# Allegro board 8880F5-0823__zarif.brd (continued)
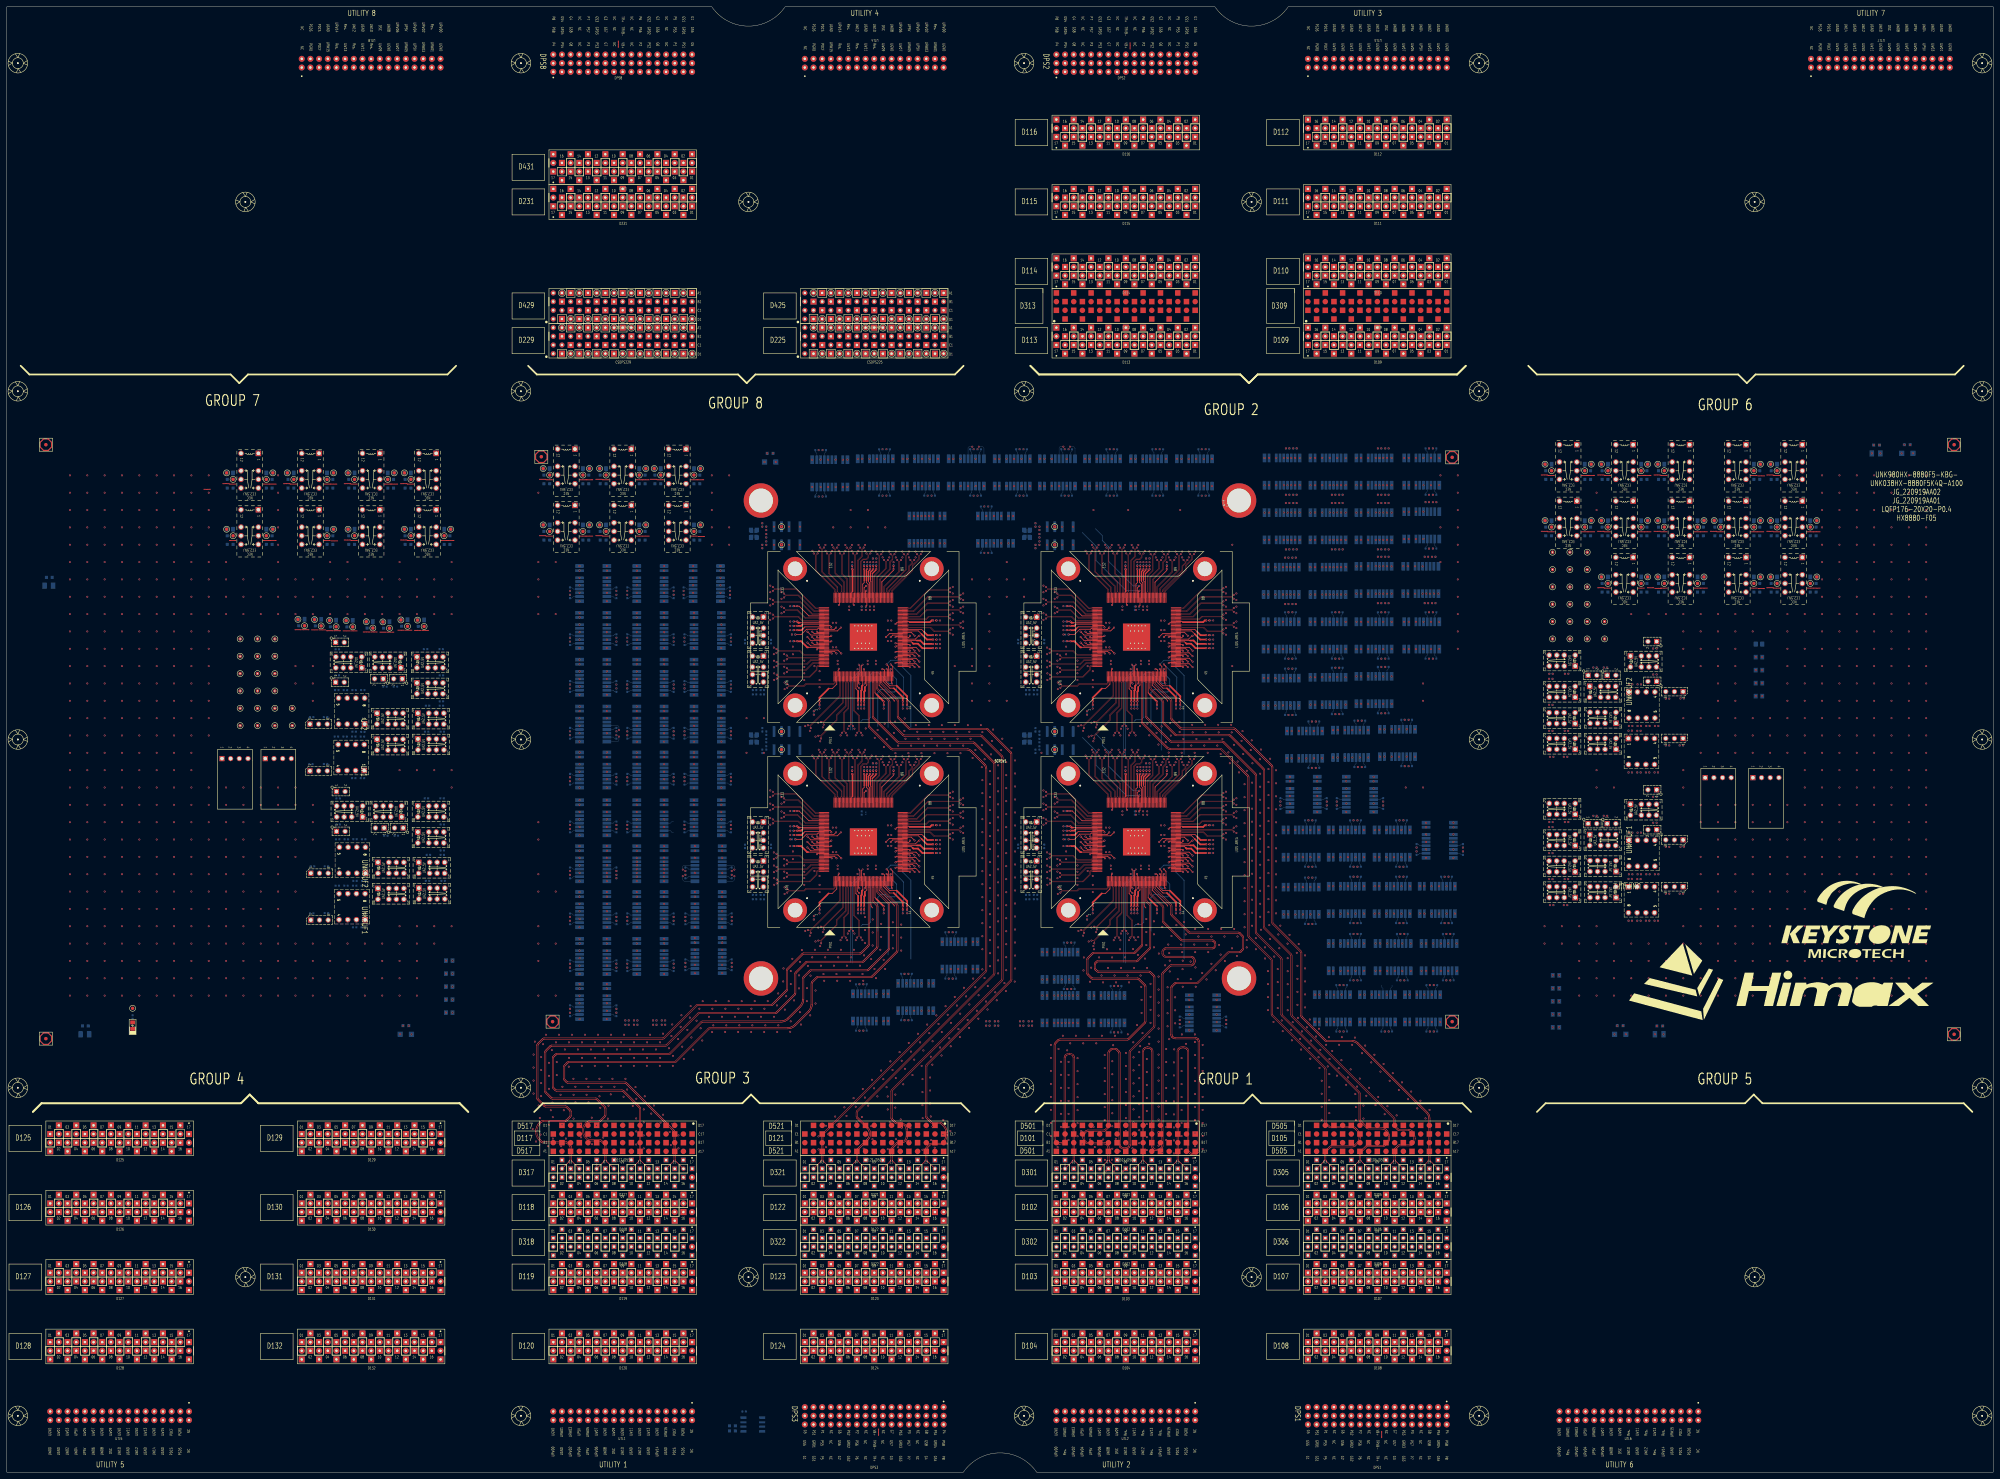
[diagram p0: board, top side]
## Placement (name value [footprint] x y rotation side) (continued)
UNK2R83  4.7K-1-S4-WA  [R0402]  482.6 241.3 0 bottom
UNK2R84  4.7K-1-S4-WA  [R0402]  482.6 233.68 0 bottom
UNK2R85  100K-1-S4  [R0402]  465.07 235.71 0 bottom
UNK2R86  4.7K-1-S4-WA  [R0402]  486.3 226.62 0 bottom
UNK2R87  4.7K-1-S4-WA  [R0402]  475.49 230.78 0 bottom
UNK2R88  4.7K-1-S4-WA  [R0402]  478.03 230.78 0 bottom
UNK2R89  4.7K-1-S4-WA  [R0402]  490.6 226.67 180 bottom
UNK2R90  4.7K-1-S4-WA  [R0402]  478.03 218.59 0 bottom
UNK2R91  4.7K-1-S4-WA  [R0402]  480.57 218.59 0 bottom
UNK2R92  4.7K-1-S4-WA  [R0402]  483.11 218.59 0 bottom
UNK2R93  4.7K-1-S4-WA  [R0402]  486.3 212.91 0 bottom
UNK2R94  4.7K-1-S4-WA  [R0402]  475.37 217.23 180 bottom
UNK2R95  4.7K-1-S4-WA  [R0402]  477.93 217.17 0 bottom
UNK2R96  4.7K-1-S4-WA  [R0402]  490.36 212.91 180 bottom
UNK2R97  4.7K-1-S4-WA  [R0402]  477.93 204.98 0 bottom
UNK2R98  4.7K-1-S4-WA  [R0402]  480.47 204.98 0 bottom
UNK2R99  4.7K-1-S4-WA  [R0402]  483.01 204.98 0 bottom
UNK2R100  49.9-1-S4  [R0402]  415.95 238.32 180 bottom
UNK2R101  49.9-1-S4  [R0402]  418.1 238.32 180 bottom
UNK2R102  49.9-1-S4  [R0402]  374.8 235.39 180 bottom
UNK2R103  49.9-1-S4  [R0402]  376.95 235.39 180 bottom
UNK2R104  49.9-1-S4  [R0402]  381.66 219.9 180 bottom
UNK2R105  49.9-1-S4  [R0402]  383.81 219.9 180 bottom
UNK2R117  1K-1-S4  [R0402]  452.18 233.88 0 bottom
UNK2R118  NC/0-5-S4  [R0402]  310.41 245.39 180 bottom
UNK2R119  4.7K-1-S4-WA  [R0402]  452.12 224.79 180 bottom
UNK2R120  4.7K-1-S4-WA  [R0402]  452.12 232.41 180 bottom
UNK2R125  0-5-S4  [R0402]  456.44 209.55 0 bottom
UNK2R126  0-5-S4  [R0402]  452.37 209.55 0 bottom
UNK2R127  0-5-S4  [R0402]  456.69 217.17 0 bottom
UNK2R128  0-5-S4  [R0402]  452.12 217.17 0 bottom
UNK2R129  0-5-S4  [R0402]  301.23 229.11 180 bottom
UNK2R130  0-5-S4  [R0402]  298.95 229.11 0 bottom
UNK2R131  50-0.1-S4-HF-VI  [R0402]  303.77 243.33 90 bottom
UNK2R132  50-0.1-S4-HF-VI  [R0402]  296.15 243.33 90 bottom
UNK2R133  0-5-S4  [R0402]  302.38 276.48 90 bottom
UNK2SH1  SHORT  [DEFAULT_SHORT_SMALL]  462.05 291.99 0 top
UNK2SH2  SHORT  [DEFAULT_SHORT_SMALL]  464 291.99 0 top
UNK2SH3  SHORT  [DEFAULT_SHORT_SMALL]  452.21 291.99 0 top
UNK2SH4  SHORT  [DEFAULT_SHORT_SMALL]  450.26 292.12 180 top
UNK2SH5  SHORT  [DEFAULT_SHORT_SMALL]  485.23 291.99 0 top
UNK2SH6  SHORT  [DEFAULT_SHORT_SMALL]  483.28 292.12 180 top
UNK2SH7  SHORT  [DEFAULT_SHORT_SMALL]  462.05 275.48 0 top
UNK2SH8  SHORT  [DEFAULT_SHORT_SMALL]  450.26 275.61 180 top
UNK2SH9  SHORT  [DEFAULT_SHORT_SMALL]  464 275.48 0 top
UNK2SH10  SHORT  [DEFAULT_SHORT_SMALL]  452.21 275.48 0 top
UNK2SH11  SHORT  [DEFAULT_SHORT_SMALL]  483.28 275.61 180 top
UNK2SH12  SHORT  [DEFAULT_SHORT_SMALL]  495.07 275.48 0 top
UNK2SH13  SHORT  [DEFAULT_SHORT_SMALL]  480.51 291.99 0 top
UNK2SH14  SHORT  [DEFAULT_SHORT_SMALL]  478.56 291.99 0 top
UNK2SH15  SHORT  [DEFAULT_SHORT_SMALL]  466.77 292.12 180 top
UNK2SH16  SHORT  [DEFAULT_SHORT_SMALL]  468.72 291.99 0 top
UNK2SH17  SHORT  [DEFAULT_SHORT_SMALL]  466.77 275.61 180 top
UNK2SH18  SHORT  [DEFAULT_SHORT_SMALL]  478.56 275.48 0 top
UNK2SH19  SHORT  [DEFAULT_SHORT_SMALL]  90.17 246.75 0 top
UNK2SH20  SHORT  [DEFAULT_SHORT_SMALL]  92.37 246.75 0 top
UNK2SH21  SHORT  [DEFAULT_SHORT_SMALL]  85.31 246.8 0 top
UNK2SH22  SHORT  [DEFAULT_SHORT_SMALL]  87.51 246.8 0 top
UNK2SH23  SHORT  [DEFAULT_SHORT_SMALL]  511.58 291.99 0 top
UNK2SH24  SHORT  [DEFAULT_SHORT_SMALL]  513.76 291.86 180 top
UNK2SH25  SHORT  [DEFAULT_SHORT_SMALL]  485.23 275.48 0 top
UNK2SH26  SHORT  [DEFAULT_SHORT_SMALL]  497.02 275.48 0 top
UNK2SH27  SHORT  [DEFAULT_SHORT_SMALL]  468.72 275.48 0 top
UNK2SH28  SHORT  [DEFAULT_SHORT_SMALL]  480.51 275.48 0 top
UNK2TP_AUXVCC  TP01  [TP_040_T]  92.04 247.9 180 top
UNK2TP_AVDD11_RX  TP01  [TP_040_T]  452.33 276.86 180 top
UNK2TP_AVDD11_XTAL  TP01  [TP_040_T]  511.6 293.37 0 top
UNK2TP_AVDD18_RX  TP01  [TP_040_T]  462.07 276.86 0 top
UNK2TP_PLL_M_VDD33  TP01  [TP_040_T]  478.58 293.37 0 top
UNK2TP_PLL_TX_VDD33  TP01  [TP_040_T]  468.84 293.37 180 top
UNK2TP_VCC3V3  TP01  [TP_040_T]  87.17 247.96 180 top
UNK2TP_VDD_IO_33  TP01  [TP_040_T]  452.33 293.37 180 top
UNK2TP_VDD_TXREG_33_B  TP01  [TP_040_T]  478.58 276.86 0 top
UNK2TP_VDD_TXREG_33_T  TP01  [TP_040_T]  468.84 276.86 180 top
UNK2TP_VDDA_33_LV  TP01  [TP_040_T]  462.07 293.37 0 top
UNK2TP_VDDC_11  TP01  [TP_040_T]  485.35 293.37 180 top
UNK2TP_VDDTXPST_11_B  TP01  [TP_040_T]  495.09 276.86 0 top
UNK2TP_VDDTXPST_11_T  TP01  [TP_040_T]  485.35 276.86 180 top
UNK2TP_XTAL_IN  TP01  [TP_040_T]  306.85 271.67 0 top
UNK2TP_XTAL_OUT  TP01  [TP_040_T]  306.85 276.97 0 top
UNK2U1  SOLDER-DIP8-SOCKET  [DIP8_300X100_RLPIN]  474.97 228.55 270 bottom
UNK2U2  SOLDER-DIP8-SOCKET  [DIP8_300X100_RLPIN]  474.87 214.94 270 bottom
UNK2UF1  MX25L4006EM2I-12G-SOP8  [SOCKET_CODE]  360.09 283.74 180 top
UNK2UF2  MX25L4006EM2I-12G-SOP8  [SOCKET_CODE]  474.97 228.55 90 top
UNK2Y1  XTAL27M-S2520-ABRACON-10P  [XTAL_2X2P5MM_4P]  298.76 274.89 270 bottom
UNK2Y2  NC/XTAL27M-S3225-TXC-10P  [XTAL_3P2X2P5MM_4P_TXC_0201]  298.76 274.89 270 bottom
UNK3C3  0.1U-16-X-S4-MU  [C0402]  192.28 132.33 180 bottom
UNK3C4  0.1U-16-X-S4-MU  [C0402]  189.74 132.33 180 bottom
UNK3C5  22P-50-N-S4-AVX  [C0402]  221.21 217.48 90 bottom
UNK3C6  22P-50-N-S4-AVX  [C0402]  221.21 211.16 270 bottom
UNK3C7  0.1U-16-X-S4-MU  [C0402]  111 186.44 0 bottom
UNK3C8  0.1U-16-X-S4-MU  [C0402]  104.39 171.81 180 bottom
UNK3C9  0.1U-16-X-S4-MU  [C0402]  104.49 185.42 180 bottom
UNK3CA1  NC/10U-10-X6S-S6-MU  [C0603]  112.39 290.83 0 bottom
UNK3CA2  NC/47U-10-X5R-S8-TDK  [C0805]  112.5 292.74 0 bottom
UNK3CA3  NC/10U-10-X6S-S6-MU  [C0603]  100.96 290.83 180 bottom
UNK3CA4  NC/47U-10-X5R-S8-TDK  [C0805]  100.86 292.74 180 bottom
UNK3CA5  NC/10U-10-X6S-S6-MU  [C0603]  100.96 274.32 180 bottom
UNK3CA6  NC/47U-10-X5R-S8-TDK  [C0805]  100.86 276.23 180 bottom
UNK3CA7  NC/10U-10-X6S-S6-MU  [C0603]  128.9 274.32 0 bottom
UNK3CA8  NC/47U-10-X5R-S8-TDK  [C0805]  129.01 276.23 0 bottom
UNK3CA9  NC/10U-10-X6S-S6-MU  [C0603]  117.47 274.32 180 bottom
UNK3CA10  NC/47U-10-X5R-S8-TDK  [C0805]  117.37 276.23 180 bottom
UNK3CA11  NC/10U-10-X6S-S6-MU  [C0603]  76.83 290.83 0 bottom
UNK3CA12  NC/47U-10-X5R-S8-TDK  [C0805]  76.94 292.74 0 bottom
UNK3CA13  NC/47U-10-X5R-S8-TDK  [C0805]  94.72 292.74 0 bottom
UNK3CA14  NC/10U-10-X6S-S6-MU  [C0603]  94.61 290.83 0 bottom
UNK3CA15  NC/47U-10-X5R-S8-TDK  [C0805]  83.08 292.74 180 bottom
UNK3CA16  NC/10U-10-X6S-S6-MU  [C0603]  83.18 290.83 180 bottom
UNK3CA17  NC/47U-10-X5R-S8-TDK  [C0805]  76.94 276.23 0 bottom
UNK3CA18  NC/10U-10-X6S-S6-MU  [C0603]  76.83 274.32 0 bottom
UNK3CA19  NC/47U-10-X5R-S8-TDK  [C0805]  111.1 249.13 180 bottom
UNK3CA20  NC/10U-10-X6S-S6-MU  [C0603]  111.2 247.23 180 bottom
UNK3CA21  10U-10-X6S-S6-MU  [C0603]  112.39 288.29 0 bottom
UNK3CA22  10U-10-X6S-S6-MU  [C0603]  100.96 288.29 180 bottom
UNK3CA23  10U-10-X6S-S6-MU  [C0603]  100.96 271.78 180 bottom
UNK3CA24  10U-10-X6S-S6-MU  [C0603]  128.9 271.78 0 bottom
UNK3CA25  10U-10-X6S-S6-MU  [C0603]  117.47 271.78 180 bottom
UNK3CA26  10U-10-X6S-S6-MU  [C0603]  76.83 288.29 0 bottom
UNK3CA27  10U-10-X6S-S6-MU  [C0603]  94.61 288.29 0 bottom
UNK3CA28  10U-10-X6S-S6-MU  [C0603]  83.18 288.29 180 bottom
UNK3CA29  10U-10-X6S-S6-MU  [C0603]  76.83 271.78 0 bottom
UNK3CA30  NC/47U-10-X5R-S8-TDK  [C0805]  106.23 249.19 180 bottom
UNK3CA31  10U-10-X6S-S6-MU  [C0603]  106.33 247.28 180 bottom
UNK3CA32  NC/10U-10-X6S-S6-MU  [C0603]  94.61 274.32 0 bottom
UNK3CA33  NC/47U-10-X5R-S8-TDK  [C0805]  94.72 276.23 0 bottom
UNK3CA34  10U-10-X6S-S6-MU  [C0603]  94.61 271.78 0 bottom
UNK3CA35  NC/10U-10-X6S-S6-MU  [C0603]  65.4 290.83 180 bottom
UNK3CA36  NC/47U-10-X5R-S8-TDK  [C0805]  65.3 292.74 180 bottom
UNK3CA37  10U-10-X6S-S6-MU  [C0603]  65.4 288.29 180 bottom
UNK3CA38  NC/10U-10-X6S-S6-MU  [C0603]  65.4 274.32 180 bottom
UNK3CA39  NC/47U-10-X5R-S8-TDK  [C0805]  65.3 276.23 180 bottom
UNK3CA40  10U-10-X6S-S6-MU  [C0603]  65.4 271.78 180 bottom
UNK3CC1  0.47U-10-X6S-S2-TY  [C0201]  237.98 164.12 90 bottom
UNK3CC2  4.7U-10-X6T-S4-MU  [C0402]  236.32 162.4 270 bottom
UNK3CC4  0.47U-10-X6S-S2-TY  [C0201]  229.81 187.93 0 bottom
UNK3CC6  0.47U-10-X6S-S2-TY  [C0201]  250.17 164.12 90 bottom
UNK3CC7  0.47U-10-X6S-S2-TY  [C0201]  229.81 186.66 0 bottom
UNK3CC8  0.47U-10-X6S-S2-TY  [C0201]  263.63 164.12 90 bottom
UNK3CC9  0.47U-10-X6S-S2-TY  [C0201]  254.61 206.16 270 bottom
UNK3CC11  0.47U-10-X6S-S2-TY  [C0201]  251.06 164.12 90 bottom
UNK3CC13  0.47U-10-X6S-S2-TY  [C0201]  256.77 164.12 90 bottom
UNK3CC15  4.7U-2.5-X6S-S2-MU  [C0201]  259.65 204.95 90 bottom
UNK3CC16  NC/4.7U-2.5-X6S-S2-MU  [C0201]  271.64 189.5 0 bottom
UNK3CC17  4.7U-2.5-X6S-S2-MU  [C0201]  229.81 193.69 0 bottom
UNK3CC19  0.47U-10-X6S-S2-TY  [C0201]  252.83 206.16 270 bottom
UNK3CC20  4.7U-10-X6T-S4-MU  [C0402]  254.11 207.66 0 bottom
UNK3CC22  0.47U-10-X6S-S2-TY  [C0201]  251.05 206.16 270 bottom
UNK3CC23  4.7U-10-X6T-S4-MU  [C0402]  250.34 193.09 270 bottom
UNK3CC25  0.47U-10-X6S-S2-TY  [C0201]  272.85 185.18 180 bottom
UNK3CC26  0.47U-10-X6S-S2-TY  [C0201]  253.72 206.16 270 bottom
UNK3CC27  0.47U-10-X6S-S2-TY  [C0201]  272.85 189.5 180 bottom
UNK3CC28  0.47U-10-X6S-S2-TY  [C0201]  259.65 206.16 270 bottom
UNK3CC29  0.47U-10-X6S-S2-TY  [C0201]  231.03 193.69 180 bottom
UNK3CC30  0.47U-10-X6S-S2-TY  [C0201]  229.81 183.41 0 bottom
UNK3CC31  0.47U-10-X6S-S2-TY  [C0201]  249.28 164.12 90 bottom
UNK3CC32  0.47U-10-X6S-S2-TY  [C0201]  262.36 164.12 90 bottom
UNK3CC33  0.47U-10-X6S-S2-TY  [C0201]  272.85 183.91 180 bottom
UNK3CC34  0.47U-10-X6S-S2-TY  [C0201]  251.94 206.16 270 bottom
UNK3CC35  0.47U-10-X6S-S2-TY  [C0201]  272.85 181.37 180 bottom
UNK3CC36  0.47U-10-X6S-S2-TY  [C0201]  272.85 182.64 180 bottom
UNK3CC37  0.47U-10-X6S-S2-TY  [C0201]  247.57 204.95 90 bottom
UNK3CC38  NC/4.7U-2.5-X6S-S2-MU  [C0201]  247.57 206.16 270 bottom
UNK3CC39  0.47U-10-X6S-S2-TY  [C0201]  231.03 189.2 180 bottom
UNK3CC40  4.7U-2.5-X6S-S2-MU  [C0201]  258.5 186.67 180 bottom
UNK3CC41  4.7U-2.5-X6S-S2-MU  [C0201]  229.81 189.2 0 bottom
UNK3CC42  4.7U-2.5-X6S-S2-MU  [C0201]  251.54 193.03 90 bottom
UNK3CD1  0.1U-10-X7R-S2-MU  [C0201]  237.98 165.34 270 top
UNK3CD3  0.1U-10-X7R-S2-MU  [C0201]  271.64 181.37 0 top
UNK3CD4  0.1U-10-X7R-S2-MU  [C0201]  254.61 204.95 90 top
UNK3CD5  0.1U-10-X7R-S2-MU  [C0201]  263.63 165.34 270 top
UNK3CD6  0.1U-10-X7R-S2-MU  [C0201]  231.03 186.66 180 top
UNK3CD7  0.1U-10-X7R-S2-MU  [C0201]  271.64 182.64 0 top
UNK3CD8  0.1U-10-X7R-S2-MU  [C0201]  251.06 165.34 270 top
UNK3CD9  0.1U-10-X7R-S2-MU  [C0201]  256.77 165.34 270 top
UNK3CD10  0.1U-10-X7R-S2-MU  [C0201]  271.64 189.5 0 top
UNK3CD11  0.1U-10-X7R-S2-MU  [C0201]  259.65 204.95 90 top
UNK3CD12  0.1U-10-X7R-S2-MU  [C0201]  231.03 193.69 180 top
UNK3CD13  0.1U-10-X7R-S2-MU  [C0201]  252.83 204.95 90 top
UNK3CD14  0.1U-10-X7R-S2-MU  [C0201]  251.05 204.95 90 top
UNK3CD15  0.1U-10-X7R-S2-MU  [C0201]  271.64 185.18 0 top
UNK3CD16  0.1U-10-X7R-S2-MU  [C0201]  253.72 204.95 90 top
UNK3CD17  0.1U-10-X7R-S2-MU  [C0201]  231.03 187.93 180 top
UNK3CD18  0.1U-10-X7R-S2-MU  [C0201]  251.94 204.95 90 top
UNK3CD19  0.1U-10-X7R-S2-MU  [C0201]  231.03 183.41 180 top
UNK3CD20  0.1U-10-X7R-S2-MU  [C0201]  271.64 183.91 0 top
UNK3CD21  0.1U-10-X7R-S2-MU  [C0201]  262.36 165.34 270 top
UNK3CD22  0.1U-10-X7R-S2-MU  [C0201]  249.28 165.34 270 top
UNK3CD23  0.1U-10-X7R-S2-MU  [C0201]  250.17 165.34 270 top
UNK3CD24  0.1U-10-X7R-S2-MU  [C0201]  247.57 204.95 90 top
UNK3CD25  0.1U-10-X7R-S2-MU  [C0201]  231.03 189.2 180 top
UNK3GND1  TP01  [TP_040_T]  99.91 292.74 0 top
UNK3GND2  TP01  [TP_040_T]  113.45 292.74 180 top
UNK3GND3  TP01  [TP_040_T]  99.91 276.23 0 top
UNK3GND4  TP01  [TP_040_T]  116.42 276.23 0 top
UNK3GND5  TP01  [TP_040_T]  129.96 276.23 180 top
UNK3GND6  TP01  [TP_040_T]  64.35 292.74 0 top
UNK3GND7  TP01  [TP_040_T]  95.67 292.74 180 top
UNK3GND8  TP01  [TP_040_T]  82.13 292.74 0 top
UNK3GND9  TP01  [TP_040_T]  77.89 276.23 180 top
UNK3GND10  TP01  [TP_040_T]  110.12 249.08 0 top
UNK3GND11  TP01  [TP_040_T]  105.25 249.13 0 top
UNK3GND12  TP01  [TP_040_T]  95.67 276.23 180 top
UNK3GND13  TP01  [TP_040_T]  77.89 292.74 180 top
UNK3GND14  TP01  [TP_040_T]  64.35 276.23 0 top
UNK3J1  HDR-2X1-M  [JP_2P_100]  110.49 188.72 270 bottom
UNK3J2  HDR-3X1-M  [JP_3P_100]  89.01 161.74 90 bottom
UNK3J3  HDR-3X1-M  [JP_3P_100]  89.01 175.46 90 bottom
UNK3J4  HDR-2X1-M  [JP_2P_100]  96.52 187.71 90 bottom
UNK3J5  HDR-2X1-M  [JP_2P_100]  96.52 199.39 90 bottom
UNK3K1  G6K-2F-RF-T-5V-SPECIAL  [RL_G6K2FRT_8P_5V_GR]  279.15 151.38 180 bottom
UNK3K2  G6K-2F-RF-T-5V-SPECIAL  [RL_G6K2FRT_8P_5V_GR]  252.98 136.14 180 bottom
UNK3K3  G6K-2F-RF-T-5V-SPECIAL  [RL_G6K2FRT_8P_5V_GR]  266.19 139.19 180 bottom
UNK3K4  G6K-2F-RF-T-5V-SPECIAL  [RL_G6K2FRT_8P_5V_GR]  171.7 178.31 270 bottom
UNK3K5  G6K-2F-RF-T-5V-SPECIAL  [RL_G6K2FRT_8P_5V_GR]  188.47 219.2 270 bottom
UNK3K6  G6K-2F-RF-T-5V-SPECIAL  [RL_G6K2FRT_8P_5V_GR]  205.23 219.2 270 bottom
UNK3K7  G6K-2F-RF-T-5V-SPECIAL  [RL_G6K2FRT_8P_5V_GR]  188.47 205.74 270 bottom
UNK3K8  G6K-2F-RF-T-5V-SPECIAL  [RL_G6K2FRT_8P_5V_GR]  188.47 191.77 270 bottom
UNK3K9  UA2-5NJ-A-V3  [RL_NECUA2_5V_V3]  219.96 175.46 90 bottom
UNK3K10  UA2-5NJ-A-V3  [RL_NECUA2_5V_V3]  112.01 193.55 0 bottom
UNK3K11  G6K-2F-RF-T-5V-SPECIAL  [RL_G6K2FRT_8P_5V_GR]  171.7 205.74 270 bottom
UNK3K12  UA2-5NJ-A-V3  [RL_NECUA2_5V_V3]  219.96 186.89 90 bottom
UNK3K13  UA2-5NJ-A-V3  [RL_NECUA2_5V_V3]  123.95 185.93 180 bottom
UNK3K14  UA2-5NJ-A-V3  [RL_NECUA2_5V_V3]  112.27 177.04 180 bottom
UNK3K15  UA2-5NJ-A-V3  [RL_NECUA2_5V_V3]  124.24 169.5 180 bottom
UNK3K16  G6K-2F-RF-T-5V-SPECIAL  [RL_G6K2FRT_8P_5V_GR]  205.23 205.74 270 bottom
UNK3K17  G6K-2F-RF-T-5V-SPECIAL  [RL_G6K2FRT_8P_5V_GR]  171.7 191.77 270 bottom
UNK3K18  UB2-5NU-B  [RL_NECUB2_5V]  228.45 214.32 0 bottom
UNK3K19  UA2-5NJ-A-V3  [RL_NECUA2_5V_V3]  112.27 169.42 180 bottom
UNK3K20  UA2-5NJ-A-V3  [RL_NECUA2_5V_V3]  124.21 177.04 180 bottom
UNK3K21  G6K-2F-RF-T-5V-SPECIAL  [RL_G6K2FRT_8P_5V_GR]  205.23 191.77 270 bottom
UNK3K22  G6K-2F-RF-T-5V-SPECIAL  [RL_G6K2FRT_8P_5V_GR]  205.49 151.38 270 bottom
UNK3K23  G6K-2F-RF-T-5V-SPECIAL  [RL_G6K2FRT_8P_5V_GR]  171.7 137.92 270 bottom
UNK3K24  G6K-2F-RF-T-5V-SPECIAL  [RL_G6K2FRT_8P_5V_GR]  188.47 151.13 270 bottom
UNK3K25  G6K-2F-RF-T-5V-SPECIAL  [RL_G6K2FRT_8P_5V_GR]  205.49 164.85 270 bottom
UNK3K26  G6K-2F-RF-T-5V-SPECIAL  [RL_G6K2FRT_8P_5V_GR]  188.47 164.85 270 bottom
UNK3K27  G6K-2F-RF-T-5V-SPECIAL  [RL_G6K2FRT_8P_5V_GR]  205.49 178.31 270 bottom
UNK3K28  UA2-5NJ-A-V3  [RL_NECUA2_5V_V3]  100.58 193.55 0 bottom
UNK3K29  G6K-2F-RF-T-5V-SPECIAL  [RL_G6K2FRT_8P_5V_GR]  171.7 164.85 270 bottom
UNK3K30  G6K-2F-RF-T-5V-SPECIAL  [RL_G6K2FRT_8P_5V_GR]  171.7 151.13 270 bottom
UNK3K31  EC2-5NJ-A  [RL_NECEC2_10P_5V]  88.9 275.59 90 bottom
UNK3K33  NC/UA2-5NJ-A-V3  [RL_NECUA2_5V_V3]  123.95 193.55 180 bottom
UNK3K34  EC2-5NJ-A  [RL_NECEC2_10P_5V]  106.68 292.1 90 bottom
UNK3K36  EC2-5NJ-A  [RL_NECEC2_10P_5V]  106.68 275.59 90 bottom
UNK3K37  EC2-5NJ-A  [RL_NECEC2_10P_5V]  123.19 275.59 90 bottom
UNK3K39  EC2-5NJ-A  [RL_NECEC2_10P_5V]  71.12 292.1 90 bottom
UNK3K40  EC2-5NJ-A  [RL_NECEC2_10P_5V]  88.9 292.1 90 bottom
UNK3K42  EC2-5NJ-A  [RL_NECEC2_10P_5V]  71.12 275.59 90 bottom
UNK3K43  G6K-2F-RF-T-5V-SPECIAL  [RL_G6K2FRT_8P_5V_GR]  188.47 178.31 270 bottom
UNK3R1  NC/1M-1-S4  [R0402]  221.23 167.84 180 bottom
UNK3R2  NC/1M-1-S4  [R0402]  218.95 167.84 0 bottom
UNK3R3  NC/100K-1-S4  [R0402]  192.28 131.06 180 bottom
UNK3R4  NC/100K-1-S4  [R0402]  189.74 131.06 180 bottom
UNK3R5  0-5-S4  [R0402]  222.38 212.16 270 bottom
UNK3R6  1M-1-S4  [R0402]  222.38 214.32 270 bottom
UNK3R7  49.9-1-S4  [R0402]  277.47 144.59 0 bottom
UNK3R8  49.9-1-S4  [R0402]  275.32 144.59 0 bottom
UNK3R9  49.9-1-S4  [R0402]  277.47 158.18 0 bottom
UNK3R10  49.9-1-S4  [R0402]  275.32 158.18 0 bottom
UNK3R11  49.9-1-S4  [R0402]  251.31 129.35 0 bottom
UNK3R12  49.9-1-S4  [R0402]  249.16 129.35 0 bottom
UNK3R13  49.9-1-S4  [R0402]  251.31 142.94 0 bottom
UNK3R14  49.9-1-S4  [R0402]  249.16 142.94 0 bottom
UNK3R15  49.9-1-S4  [R0402]  264.51 132.4 0 bottom
UNK3R16  49.9-1-S4  [R0402]  262.37 132.4 0 bottom
UNK3R17  49.9-1-S4  [R0402]  264.51 145.99 0 bottom
UNK3R18  49.9-1-S4  [R0402]  262.37 145.99 0 bottom
UNK3R19  49.9-1-S4  [R0402]  178.5 176.63 90 bottom
UNK3R20  49.9-1-S4  [R0402]  178.5 174.49 90 bottom
UNK3R21  49.9-1-S4  [R0402]  164.91 176.63 90 bottom
UNK3R22  49.9-1-S4  [R0402]  164.91 174.49 90 bottom
UNK3R23  49.9-1-S4  [R0402]  195.26 217.52 90 bottom
UNK3R24  49.9-1-S4  [R0402]  195.26 215.38 90 bottom
UNK3R25  49.9-1-S4  [R0402]  181.67 217.52 90 bottom
UNK3R26  49.9-1-S4  [R0402]  181.67 215.38 90 bottom
UNK3R27  49.9-1-S4  [R0402]  212.03 217.52 90 bottom
UNK3R28  49.9-1-S4  [R0402]  212.03 215.38 90 bottom
UNK3R29  49.9-1-S4  [R0402]  198.44 217.52 90 bottom
UNK3R30  49.9-1-S4  [R0402]  198.44 215.38 90 bottom
UNK3R31  49.9-1-S4  [R0402]  195.26 204.06 90 bottom
UNK3R32  49.9-1-S4  [R0402]  195.26 201.92 90 bottom
UNK3R33  49.9-1-S4  [R0402]  181.67 204.06 90 bottom
UNK3R34  49.9-1-S4  [R0402]  181.67 201.92 90 bottom
UNK3R37  49.9-1-S4  [R0402]  181.67 190.09 90 bottom
UNK3R38  49.9-1-S4  [R0402]  181.67 187.95 90 bottom
UNK3R39  49.9-1-S4  [R0402]  178.5 204.06 90 bottom
UNK3R40  49.9-1-S4  [R0402]  178.5 201.92 90 bottom
UNK3R41  49.9-1-S4  [R0402]  164.91 204.06 90 bottom
UNK3R42  49.9-1-S4  [R0402]  164.91 201.92 90 bottom
UNK3R43  49.9-1-S4  [R0402]  164.91 163.17 90 bottom
UNK3R44  49.9-1-S4  [R0402]  164.91 161.02 90 bottom
UNK3R45  49.9-1-S4  [R0402]  198.69 149.71 90 bottom
UNK3R46  49.9-1-S4  [R0402]  198.69 147.56 90 bottom
UNK3R47  49.9-1-S4  [R0402]  178.5 136.24 90 bottom
UNK3R48  49.9-1-S4  [R0402]  178.5 134.1 90 bottom
UNK3R49  49.9-1-S4  [R0402]  164.91 136.24 90 bottom
UNK3R50  49.9-1-S4  [R0402]  164.91 134.1 90 bottom
UNK3R51  49.9-1-S4  [R0402]  195.26 149.45 90 bottom
UNK3R52  49.9-1-S4  [R0402]  195.26 147.31 90 bottom
UNK3R53  49.9-1-S4  [R0402]  181.67 149.45 90 bottom
UNK3R54  49.9-1-S4  [R0402]  181.67 147.31 90 bottom
UNK3R55  49.9-1-S4  [R0402]  212.28 163.17 90 bottom
UNK3R56  49.9-1-S4  [R0402]  212.28 161.02 90 bottom
UNK3R57  49.9-1-S4  [R0402]  198.69 163.17 90 bottom
UNK3R58  49.9-1-S4  [R0402]  198.69 161.02 90 bottom
UNK3R59  49.9-1-S4  [R0402]  195.26 163.17 90 bottom
UNK3R60  49.9-1-S4  [R0402]  195.26 161.02 90 bottom
UNK3R61  49.9-1-S4  [R0402]  181.67 163.17 90 bottom
UNK3R62  49.9-1-S4  [R0402]  181.67 161.02 90 bottom
UNK3R63  49.9-1-S4  [R0402]  178.5 149.45 90 bottom
UNK3R64  49.9-1-S4  [R0402]  178.5 147.31 90 bottom
UNK3R65  49.9-1-S4  [R0402]  198.69 176.63 90 bottom
UNK3R66  49.9-1-S4  [R0402]  198.69 174.49 90 bottom
UNK3R67  49.9-1-S4  [R0402]  212.03 204.06 90 bottom
UNK3R68  49.9-1-S4  [R0402]  212.03 201.92 90 bottom
UNK3R69  49.9-1-S4  [R0402]  198.44 204.06 90 bottom
UNK3R70  49.9-1-S4  [R0402]  198.44 201.92 90 bottom
UNK3R71  49.9-1-S4  [R0402]  178.5 190.09 90 bottom
UNK3R72  49.9-1-S4  [R0402]  178.5 187.95 90 bottom
UNK3R73  49.9-1-S4  [R0402]  164.91 190.09 90 bottom
UNK3R74  49.9-1-S4  [R0402]  164.91 187.95 90 bottom
UNK3R75  49.9-1-S4  [R0402]  212.03 190.09 90 bottom
UNK3R76  49.9-1-S4  [R0402]  212.03 187.95 90 bottom
UNK3R77  49.9-1-S4  [R0402]  198.44 190.09 90 bottom
UNK3R78  49.9-1-S4  [R0402]  198.44 187.95 90 bottom
UNK3R79  49.9-1-S4  [R0402]  178.5 163.17 90 bottom
UNK3R80  49.9-1-S4  [R0402]  178.5 161.02 90 bottom
UNK3R82  4.7K-1-S4-WA  [R0402]  122.88 197.41 180 bottom
UNK3R83  4.7K-1-S4-WA  [R0402]  97.03 189.74 180 bottom
UNK3R84  4.7K-1-S4-WA  [R0402]  97.03 197.36 180 bottom
UNK3R85  100K-1-S4  [R0402]  114.05 186.44 180 bottom
UNK3R86  4.7K-1-S4-WA  [R0402]  93.59 163.77 180 bottom
UNK3R87  4.7K-1-S4-WA  [R0402]  104.39 159.62 180 bottom
UNK3R88  4.7K-1-S4-WA  [R0402]  101.85 159.62 180 bottom
UNK3R89  4.7K-1-S4-WA  [R0402]  89.28 163.72 0 bottom
UNK3R90  4.7K-1-S4-WA  [R0402]  101.85 171.81 180 bottom
UNK3R91  4.7K-1-S4-WA  [R0402]  99.31 171.81 180 bottom
UNK3R92  4.7K-1-S4-WA  [R0402]  96.77 171.81 180 bottom
UNK3R93  4.7K-1-S4-WA  [R0402]  93.59 177.49 180 bottom
UNK3R94  4.7K-1-S4-WA  [R0402]  104.51 173.17 0 bottom
UNK3R95  4.7K-1-S4-WA  [R0402]  101.95 173.22 180 bottom
UNK3R96  4.7K-1-S4-WA  [R0402]  89.52 177.49 0 bottom
UNK3R97  4.7K-1-S4-WA  [R0402]  101.95 185.42 180 bottom
UNK3R98  4.7K-1-S4-WA  [R0402]  99.41 185.42 180 bottom
UNK3R99  4.7K-1-S4-WA  [R0402]  96.87 185.42 180 bottom
UNK3R100  49.9-1-S4  [R0402]  164.91 149.45 90 bottom
UNK3R101  49.9-1-S4  [R0402]  164.91 147.31 90 bottom
UNK3R102  49.9-1-S4  [R0402]  212.28 149.71 90 bottom
UNK3R103  49.9-1-S4  [R0402]  212.28 147.56 90 bottom
UNK3R104  49.9-1-S4  [R0402]  212.28 176.63 90 bottom
UNK3R105  49.9-1-S4  [R0402]  212.28 174.49 90 bottom
UNK3R117  1K-1-S4  [R0402]  127.45 197.41 180 bottom
UNK3R118  NC/0-5-S4  [R0402]  230.41 185.39 180 bottom
UNK3R119  4.7K-1-S4-WA  [R0402]  127.51 189.74 0 bottom
UNK3R120  4.7K-1-S4-WA  [R0402]  127.51 182.12 0 bottom
UNK3R125  0-5-S4  [R0402]  123.44 180.85 180 bottom
UNK3R126  0-5-S4  [R0402]  127.51 180.85 180 bottom
UNK3R127  0-5-S4  [R0402]  123.19 173.23 180 bottom
UNK3R128  0-5-S4  [R0402]  127.76 173.23 180 bottom
UNK3R129  0-5-S4  [R0402]  221.23 169.11 180 bottom
UNK3R130  0-5-S4  [R0402]  218.95 169.11 0 bottom
UNK3R131  50-0.1-S4-HF-VI  [R0402]  223.77 183.33 90 bottom
UNK3R132  50-0.1-S4-HF-VI  [R0402]  216.15 183.33 90 bottom
UNK3R133  0-5-S4  [R0402]  222.38 216.48 90 bottom
UNK3SH1  SHORT  [DEFAULT_SHORT_SMALL]  111.53 289.45 0 top
UNK3SH2  SHORT  [DEFAULT_SHORT_SMALL]  113.48 289.45 0 top
UNK3SH3  SHORT  [DEFAULT_SHORT_SMALL]  101.69 289.45 0 top
UNK3SH4  SHORT  [DEFAULT_SHORT_SMALL]  99.74 289.58 180 top
UNK3SH5  SHORT  [DEFAULT_SHORT_SMALL]  101.69 272.94 0 top
UNK3SH6  SHORT  [DEFAULT_SHORT_SMALL]  99.74 273.07 180 top
UNK3SH7  SHORT  [DEFAULT_SHORT_SMALL]  128.04 272.94 0 top
UNK3SH8  SHORT  [DEFAULT_SHORT_SMALL]  116.25 273.07 180 top
UNK3SH9  SHORT  [DEFAULT_SHORT_SMALL]  129.99 272.94 0 top
UNK3SH10  SHORT  [DEFAULT_SHORT_SMALL]  118.2 272.94 0 top
UNK3SH11  SHORT  [DEFAULT_SHORT_SMALL]  64.18 289.58 180 top
UNK3SH12  SHORT  [DEFAULT_SHORT_SMALL]  75.97 289.45 0 top
UNK3SH13  SHORT  [DEFAULT_SHORT_SMALL]  95.7 289.45 0 top
UNK3SH14  SHORT  [DEFAULT_SHORT_SMALL]  93.75 289.45 0 top
UNK3SH15  SHORT  [DEFAULT_SHORT_SMALL]  81.96 289.58 180 top
UNK3SH16  SHORT  [DEFAULT_SHORT_SMALL]  83.91 289.45 0 top
UNK3SH17  SHORT  [DEFAULT_SHORT_SMALL]  58.65 287.91 180 top
UNK3SH18  SHORT  [DEFAULT_SHORT_SMALL]  75.97 272.94 0 top
UNK3SH19  SHORT  [DEFAULT_SHORT_SMALL]  110.18 246.07 0 top
UNK3SH20  SHORT  [DEFAULT_SHORT_SMALL]  112.38 246.07 0 top
UNK3SH21  SHORT  [DEFAULT_SHORT_SMALL]  105.32 246.12 0 top
UNK3SH22  SHORT  [DEFAULT_SHORT_SMALL]  107.52 246.12 0 top
UNK3SH23  SHORT  [DEFAULT_SHORT_SMALL]  93.75 272.94 0 top
UNK3SH24  SHORT  [DEFAULT_SHORT_SMALL]  95.93 272.81 180 top
UNK3SH25  SHORT  [DEFAULT_SHORT_SMALL]  66.13 289.45 0 top
UNK3SH26  SHORT  [DEFAULT_SHORT_SMALL]  77.92 289.45 0 top
UNK3SH27  SHORT  [DEFAULT_SHORT_SMALL]  66.13 272.94 0 top
UNK3SH28  SHORT  [DEFAULT_SHORT_SMALL]  77.92 272.94 0 top
UNK3TP_AUXVCC  TP01  [TP_040_T]  112.05 247.23 180 top
UNK3TP_AVDD11_RX  TP01  [TP_040_T]  118.32 274.32 180 top
UNK3TP_AVDD11_XTAL  TP01  [TP_040_T]  93.77 274.32 0 top
UNK3TP_AVDD18_RX  TP01  [TP_040_T]  128.06 274.32 0 top
UNK3TP_PLL_M_VDD33  TP01  [TP_040_T]  93.77 290.83 0 top
UNK3TP_PLL_TX_VDD33  TP01  [TP_040_T]  84.03 290.83 180 top
UNK3TP_VCC3V3  TP01  [TP_040_T]  107.18 247.28 180 top
UNK3TP_VDD_IO_33  TP01  [TP_040_T]  101.81 290.83 180 top
UNK3TP_VDD_TXREG_33_B  TP01  [TP_040_T]  75.99 274.32 0 top
UNK3TP_VDD_TXREG_33_T  TP01  [TP_040_T]  66.25 274.32 180 top
UNK3TP_VDDA_33_LV  TP01  [TP_040_T]  111.55 290.83 0 top
UNK3TP_VDDC_11  TP01  [TP_040_T]  101.81 274.32 180 top
UNK3TP_VDDTXPST_11_B  TP01  [TP_040_T]  75.99 290.83 0 top
UNK3TP_VDDTXPST_11_T  TP01  [TP_040_T]  66.25 290.83 180 top
UNK3TP_XTAL_IN  TP01  [TP_040_T]  226.85 211.67 0 top
UNK3TP_XTAL_OUT  TP01  [TP_040_T]  226.85 216.97 0 top
UNK3U1  SOLDER-DIP8-SOCKET  [DIP8_300X100_RLPIN]  104.91 161.85 90 bottom
UNK3U2  SOLDER-DIP8-SOCKET  [DIP8_300X100_RLPIN]  105.02 175.46 90 bottom
UNK3UF1  MX25L4006EM2I-12G-SOP8  [SOCKET_CODE]  104.91 161.85 270 top
UNK3UF2  MX25L4006EM2I-12G-SOP8  [SOCKET_CODE]  105 175.51 270 top
UNK3Y1  XTAL27M-S2520-ABRACON-10P  [XTAL_2X2P5MM_4P]  218.76 214.89 270 bottom
UNK3Y2  NC/XTAL27M-S3225-TXC-10P  [XTAL_3P2X2P5MM_4P_TXC_0201]  218.76 214.89 270 bottom
UNK4C3  0.1U-16-X-S4-MU  [C0402]  299.72 132.08 180 bottom
UNK4C4  0.1U-16-X-S4-MU  [C0402]  297.18 132.08 180 bottom
UNK4C5  22P-50-N-S4-AVX  [C0402]  301.21 217.48 90 bottom
UNK4C6  22P-50-N-S4-AVX  [C0402]  301.21 211.16 270 bottom
UNK4C7  0.1U-16-X-S4-MU  [C0402]  468.12 192.28 180 bottom
UNK4C8  0.1U-16-X-S4-MU  [C0402]  475.39 161.55 0 bottom
UNK4C9  0.1U-16-X-S4-MU  [C0402]  475.49 175.15 0 bottom